# Altium PCB X98_CARRIER_V1R2_12082022.PcbDoc (part 3 of 10) (continued)
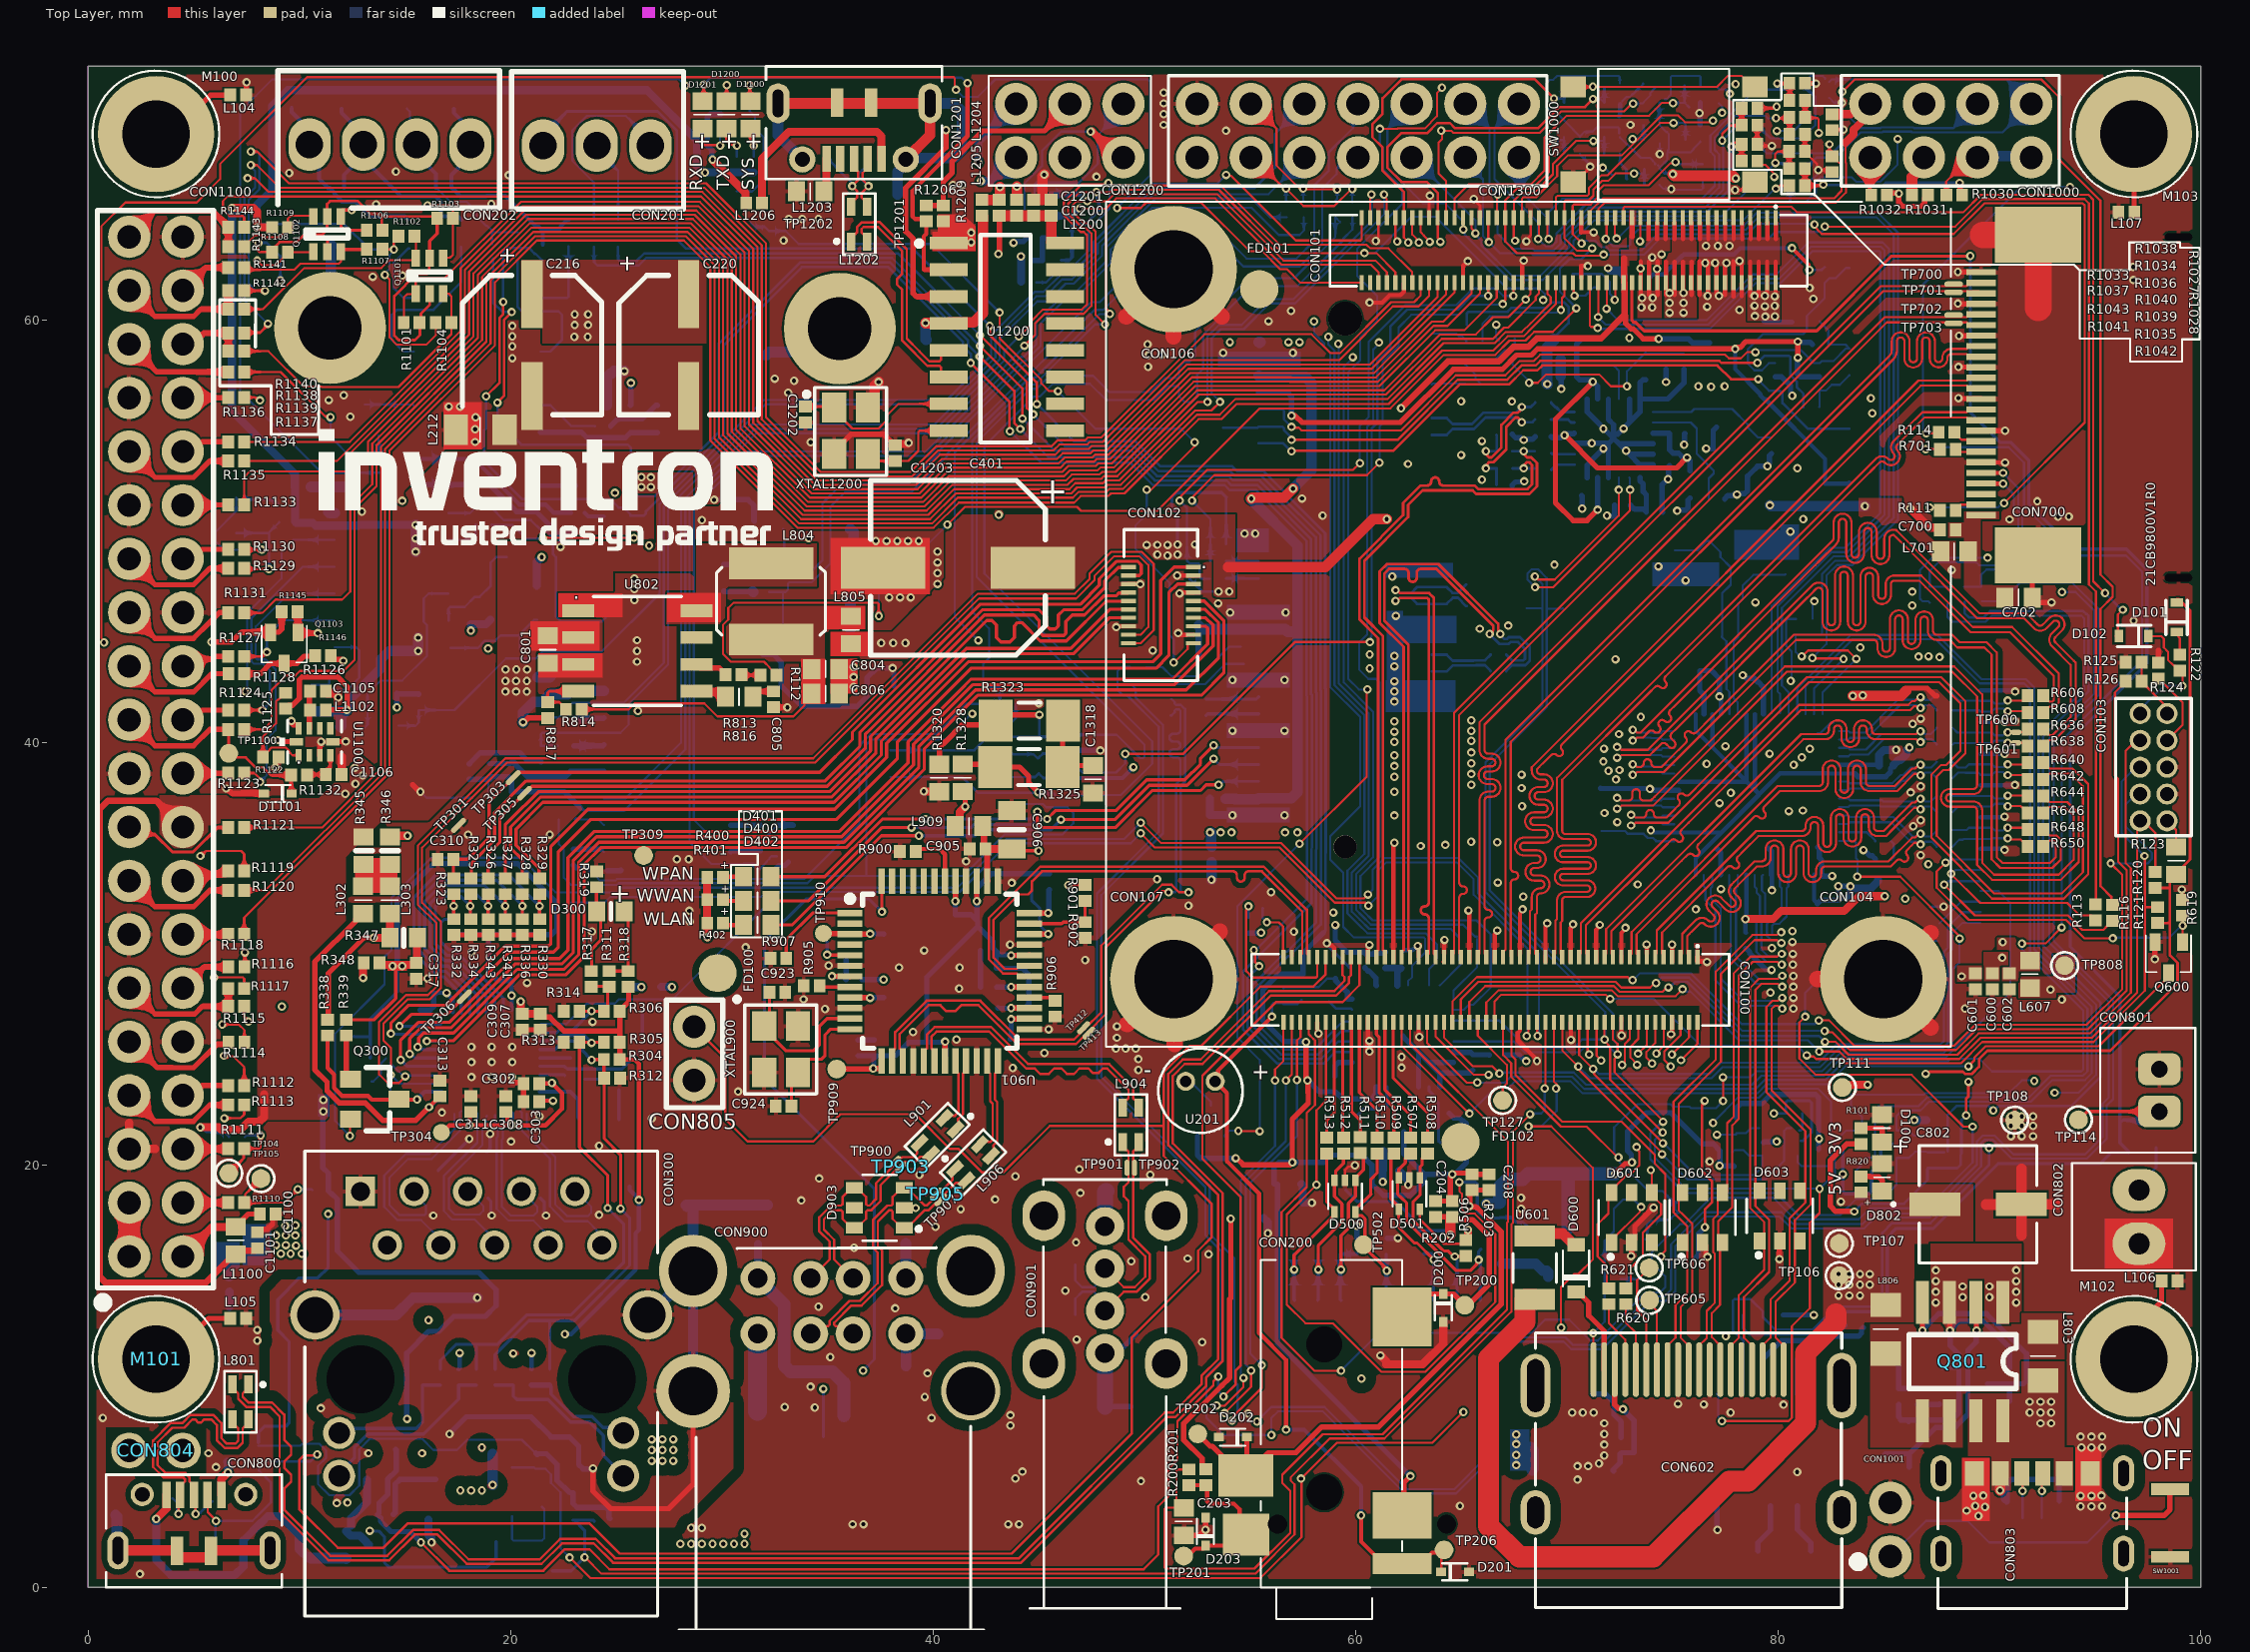
[diagram p0: Top Layer view]
## Part data (continued)
R600: library part RES-RMCF0402FT510K, "RES 510K OHM 1% 1/16W 0402", Manufacturer Part Number-1=RMCF0402FT510K, Manufacturer-1="Stackpole Electronics Inc", Class=Resistor, Created By=LA
R609 R610: library part RES-RMCF0402FT3K00, "3 ±1% 0.063W, 1/16W Chip Resistor 0402 (1005 Metric) Automotive AEC-Q200 Thick Film", Manufacturer Part Number-1=RMCF0402FT3K00, Manufacturer-1="Stackpole Electronics Inc", Tolerance=1, Class=Resistor, Created By=E.E, Created Date=9.11.2020
R802 R814: library part RES-RC0402FR-0724K9L, "24.9 ±1% 0.063W, 1/16W Chip Resistor 0402 (1005 Metric) - Thick Film", Manufacturer Part Number-1=RC0402FR-0724K9L, Manufacturer-1=Yageo, Opt. Temp.="-55°C ~ 155°C", Class=Resistor, Created By=E.E, Created Date=19.10.2020
  R802: ASSY_OPT=DNP
R806: library part RES-RC0603JR-07270RL, "RES SMD 270 OHM 5% 1/10W 0603", Manufacturer Part Number-1=RC0603JR-07270RL, Manufacturer-1=Yageo, ASSY_OPT=DNP, Class=Resistor, Created By=EE
R816: library part RES-RC0603FR-074K99L, "RES 4.99K OHM %1 1/10W 0603", Manufacturer Part Number-1=RC0603FR-074K99L, Manufacturer-1=YAGEO, Opt. Temp.=-55/+155, Class=Resistor, Created By=LA
R817: library part RES-CRCW04027K87FKED, "7.87 kOhms ±1% 0.063W, 1/16W Chip Resistor 0402 (1005 Metric) Automotive AEC-Q200 Thick Film", Manufacturer Part Number-1=CRCW04027K87FKED, Manufacturer-1="Vishay Dale", Class=Resistor, Created By=EE
R819: library part RES-0805S8J0103TDE, "RES SMD 10K 5% 0805", Manufacturer Part Number-1=0805S8J0103TDE, Manufacturer-1=ROYALOHM, Class=Resistor
R906: library part RES-RMCF0402FT2K70, "RES SMD 2.7K OHM 1% 1/16W 0402", Manufacturer Part Number-1=RMCF0402FT2K70, Manufacturer-1=Yageo, Class=Resistor, Created By=EE
R1132: library part RES-RMCF0402FT240R, "RES 240 OHM %1 1/16W 0402", Manufacturer Part Number-1=RMCF0402FT240R, Manufacturer-1=STACKPOLE, Opt. Temp.=-55/+155, Class=Resistor, Created By=LA, Features=AUTOMOTIVE
R1202 R1203 R1204 R1205: library part RES-ERJ-2RKF1620X, "162 ±1% 0.1W, 1/10W Chip Resistor 0402 (1005 Metric) Automotive AEC-Q200 Thick Film", Manufacturer Part Number-1=ERJ-2RKF1620X, Manufacturer-1="Panasonic Electronic Components", Class=Resistor, Created By=E.E, Created Date=8.11.2020
R1303 R1306 R1323 R1325: library part RES-RMCF1206JT62R0, "62 Ohms ±5% 0.25W, 1/4W Chip Resistor 1206 (3216 Metric) Automotive AEC-Q200 Thick Film", Manufacturer Part Number-1=RMCF1206JT62R0, Manufacturer-1="Stackpole Electronics Inc", Class=Resistor, Created By=EE, Price Break=5000, Unit Price=0.00323
R1304 R1305 R1308 R1312 R1316: library part RES-56K, "RES 56K OHM 1% 1/16W 0402", Opt. Temp.=-55/+155, Tolerance=%1, Class=Resistor, Created By=LA
  R1308 R1312: ASSY_OPT=DNP
R1320 R1328: library part "RES-0R 0603", "RES", ASSY_OPT=DNP, Class=Resistor, Created By=LA, Created Date=23.11.2018
R1321 R1326: library part RES-RMCF0402JT10R0, "RES 10 OHM 5% 1/16W 0402", Manufacturer Part Number-1=RMCF0402JT10R0, Manufacturer-1=STACKPOLE, Opt. Temp.=-55/+155, Tolerance=%5, Class=Resistor, Created By=LA, Created Date=23.11.2018, Price Break=10K, Unit Price=0,00127
SW1000: library part SW-DS1042-03-1-9-KKR-160-10, "SWITCH TACT 6x6MM 8.5MM 160gf SMD", Manufacturer-1=CINNFLY, Opt. Temp.=-25/+70, Class=Switch, Created By=LA, Created Date=19.04.2019, Manufacturer Part Number-1=SW-DS1042-03-1-9-KKR-160-10, Price Break=700, Unit Price=0,063
SW1001: library part SW-STO-060A16AB, "SWITCH TACTILE, SPST-NO, 0.02A 1", Manufacturer Part Number-1=STO-060A16AB, Manufacturer-1="Mitsumi Electric Company Ltd", Class=Switch, Created By=EE
U200: "IC AUDIO CODEC  STEREO SMD QFN32", Manufacturer Part Number-1=SGTL5000XNAA3/R2, Manufacturer-1=NXP, Opt. Temp.=-40/+85, Class=ICs, Created By=OKS, Created Date=29.04.2019, Price Break=1K, Unit Price=1,83
U201: library part IC-CMEJ-0415-42-P, "100Hz ~ 10kHz Analog Microphone Electret Condenser Omnidirectional (-42dB ±3dB @ 94dB SPL) PC Pins", Manufacturer Part Number-1=CMEJ-0415-42-P, Manufacturer-1="CUI Devices", Class=ICs, Created By=E.E, Created Date=11.11.2020, Price Break=1000, Unit Price=0.24864
U202: library part IC-PAM8403, "IC AMP AUDIO 3W CLASS D SO16", Manufacturer Part Number-1=PAM8403DR, Manufacturer-1=DIODES, Opt. Temp.=-40/+85, Class=ICs, Created By=OKS, Created Date=03.05.2019, Price Break=2.5K, Unit Price=0.31
U300: library part IC-RTL8211FD(I)-CG, "IC PHY GIGABIT ETHERNET IEEE 802.3AB 40-QFN (5x5)", Manufacturer Part Number-1=RTL8211FD(I)-CG, Manufacturer-1=REALTEK, Opt. Temp.="-40°C ~ 85°C (TA)", Class=ICs, Created By=OKS, Created Date=02.02.2022
U400: library part IC-9FGV0241AKLF, "IC CLOCK GENERATOR 24VFQFPN", Manufacturer-1="Renesas Electronics America Inc.", Opt. Temp.="0 to 70", Class=ICs, Created By=E.E, Created Date=13.10.20, Manufacturer Part Number-1=9FGV0241AKLF
U500: library part CON-L-KLS1-TF-003-H1.85-R, "CONECTOR MICRO SD CARD SMD KLS", Manufacturer Part Number-1=L-KLS1-TF-003-H1.85-R, Manufacturer-1=KLS, Opt. Temp.=-25/+90, Class=Connector, Created By=LA, Created Date=19.04.2019, Price Break=1000, Unit Price=0,2299
U600: library part IC-LT8912B, Manufacturer Part Number-1=LT8912B, Manufacturer-1="Lontium SemiconductorLontium SemiconductorLontium Semiconductor", Opt. Temp.="−40°C to +85°C", Class=ICs, Created By=E.E, Created Date=16.10.2020, Price Break=1040, Unit Price=2.98
U601: library part FUSE-0ZCJ0025AF2E, "Polymeric PTC Resettable Fuse 24V 250mA Ih Surface Mount 1206 (3216 Metric), Concave", Manufacturer Part Number-1=0ZCJ0025AF2E, Manufacturer-1="Bel Fuse Inc.", Class=FUSE, Created By=EE, Price Break=3000, Unit Price=0.0512
U800: library part IC-STMPS2151STR(ERDEM), "Power distribution switches", Manufacturer-1=STMicroelectronics, Class=ICs, Created By=E.E, Created Date=16.10.2020, Manufacturer Part Number-1=STMPS2151STR, Price Break=3000, Unit Price=0.16
U802: library part IC-NCP3170ADR2G, "Buck Regulator, Switching, PWM, 3.0 A", Manufacturer-1="ON Semiconductor", Opt. Temp.="-40 to +85", Class=ICs, Created By=E.E, Created Date=16.10.2020, Manufacturer Part Number-1=NCP3170ADR2G, Price Break=5000, Unit Price=0.25
U901: library part IC-FE1.1-AQFP48A, "IC 4XCH USB Hub Controller USB 2.0 USB Interface 48-QFP (7x7)", Manufacturer Part Number-1=FE1.1-AQFP48A, Manufacturer-1=TERMINUS, Class=ICs, Created By=OKS, Created Date=03.06.2022, Price Break=5000, Unit Price=1.05
U1100: library part IC-TLA2022IRUGR, "12 Bit Analog to Digital Converter 2 Input 1 Sigma-Delta 10-X2QFN (2x1.5)", Manufacturer Part Number-1=TLA2022IRUGR, Manufacturer-1="Texas Instruments", Class=ICs, Created By=E.E, Created Date=8.11.2020, Price Break=3000, Unit Price=0.5985
U1101: library part IC-PCF85063AT/AY, "Real Time Clock (RTC) IC Clock/Calendar I²C, 2-Wire Serial 10-XFDFN Exposed Pad", Manufacturer Part Number-1=PCF85063AT/AY, Manufacturer-1="NXP USA Inc.", Opt. Temp.="-40 +85", Class=ICs, Created By=EE, Price Break=1000, Unit Price=0.37280
U1200: library part IC-CH340G, "IC-340 USB INTERFACE SO16", Manufacturer-1=ÖZDİSAN, Class=ICs, Created By=E.E., Created Date=16.10.2020, Manufacturer Part Number-1=CH340G, Price Break=5000, Unit Price=0.35
U1300: library part IC-MCP2518FDT-E/SL, "CAN Controller CAN 2.0 SPI Interface 14-SOIC", Manufacturer Part Number-1=MCP2518FDT-E/SL, Manufacturer-1="Microchip Technology", Opt. Temp.="-40°C ~ 125°C", Class=ICs, Created By=EE, Price Break=6000, Unit Price=1.21
U1301: "IC TXRX CAN 8SOIC", Manufacturer Part Number-1=MCP2562T-E/SN, Manufacturer-1=MICROCHIP, Opt. Temp.=-40/+125, Class=ICs, Created By=LA, Created Date=29.03.2019, Price Break=100, Unit Price=0,7
U1302: "IC TX/RX 3-3.5V RS232 LP 16-SOIC", Manufacturer Part Number-1=ST3232CDR, Manufacturer-1=STM, Opt. Temp.=0/+70, Class=ICs, Created By=LA, Created Date=29.03.2019, Price Break=1K, Unit Price=0,52
U1303: library part IC-ST485EBDR, "IC TXRX LOPWR RS485/422 8 SOIC", Manufacturer Part Number-1=STM, Manufacturer-1=ST485EBDR, Opt. Temp.=-40/+85, Class=ICs, Created By=LA, Created Date=19.04.2018, Price Break=1K, Unit Price=0,52854
X300: library part "XTAL-TSX-3225 25.0000MF18X-G", "CRYSTAL 25.0000MHZ 20PF 10PPM SMD", Manufacturer Part Number-1="TSX-3225 25.0000MF18X-G", Manufacturer-1=EPSON, Opt. Temp.=+40/+85, Class=Crystal, Created By=OKS, Created Date=11.02.2022, Price Break=1K, Unit Price=0,24
XTAL400 XTAL600: "CRYSTAL 25.0000MHZ 18PF SMD", Manufacturer Part Number-1="TSX-3225 25.0000MF10P-C0", Manufacturer-1=EPSON, Opt. Temp.=+40/+85, Class=Crystal, Created By=E.E, Created Date=20.10.2020, Price Break=2K, Unit Price=0,176
XTAL900 XTAL1200: library part "XTAL-FA-238V 12.0000MB50X-C0", "CRYSTAL 12.0000MHZ 18PF SMD", Manufacturer Part Number-1="FA-238V 12.0000MB50X-C0", Manufacturer-1=EPSON, Opt. Temp.=+40/+85, Class=Crystal, Created By=E.E, Created Date=20.10.2020, Price Break=1K, Unit Price=0.6
XTAL1100: library part "XTAL FC-135 32.768KA-AG0", "32.768kHz ±20ppm Crystal 7pF 70 kOhms 2-SMD, No Lead", Manufacturer Part Number-1="FC-135 32.768KA-AG0", Manufacturer-1=EPSON, Opt. Temp.=-20°C~+70°C, Class=Crystal, Created By=E.E, Created Date=20.10.20, Price Break=1000, Unit Price=0.2
XTAL1300: library part "XTAL-FA-238 20.0000MB-K0", "CRYSTAL 20.0000MHZ 10PF SMD", Manufacturer Part Number-1="FA-238 20.0000MB-K0", Manufacturer-1=EPSON, Opt. Temp.="-20°C ~ 70°C", Class=Crystal, Created By=E.E, Created Date=20.10.2020, Price Break=1K, Unit Price=0.17

## Via types
v1: diameter 0.4, hole 0.2, Top Layer to Bottom Layer, tented both sides, 1194 vias

## Nets (pads, with @x,y where several pads share a name; then routed paths per layer and width w, separated by ;. In a path a pad name is that pad's centre, name@x,y a point inside that pad or via, vN(x,y) a via of type N, cw(c..) or ccw(c..) an arc to the next point about the centre after c; other vN are vias at no path point)
3V3_CAM: C700.1 C702.1 CON700.24 L701.1
3V3_CON: C602.1 CON600.24 CON600.25 L607.2
  other v1: 90.633,30.541
+1.5V_VDD: C100.2 C413.1 C414.2 CON101.35 CON101.38 CON401.6 CON401.28 CON401.48 TP115.1 | length 67.2
  Top Layer w0.254: 72.72,60.24 72.772,60.188 72.772,59.844 73.038,59.578 73.133,59.578 73.604,59.107 v1(74.346,59.107) ; 73.07,63.941 73.079,63.95 CON101.35@73.079,64.837
  Top Layer w0.305: v1(62.148,55.816) 64.308,57.976 64.371,58.038 66.78,58.038 67.459,58.717 68.162,58.717 68.577,59.132 71.612,59.132 72.72,60.24 72.721,60.241 72.721,61.757 72.711,61.767 72.711,62.909
  Top Layer w0.508: v1(55.058,51.534) 55.108,51.583 56.607,51.583 v1(57.031,52.008)
  Layer 2 w0.305: v1@57.003,52 57.003,50.238 57.182,50.059 58.741,50.059 58.958,50.276 58.958,54.122 60.652,55.816 v1(62.148,55.816)
  Bottom Layer w0.254: v1(74.346,59.107) 75.752,59.107 75.94,58.92 C100.2@76.748,58.92
  Bottom Layer w0.305: C413.1@52.515,45.577 52.57,45.522 TP115.1@52.57,44.123
  Bottom Layer w0.508: C413.1@52.57,45.522 52.732,45.36 56.662,45.36 56.786,45.237 57.243,45.237 ; C414.2@53.849,37.335 54.324,37.335 54.297,37.307 55.362,37.307 55.408,37.353 56.945,37.353 57.243,37.651 57.243,45.237 ; v1(55.058,51.534) 55.058,51.506 57.243,49.321 57.243,45.237 ; CON401.6@55.408,57.353 55.454,57.307 56.385,57.307 57.616,57.307 57.913,57.009 57.913,52.89 v1(57.031,52.008)
+1.8V_HUB: C907.1 C910.1 C911.2 C913.1 TP910.1 U901.3 U901.9 U901.26 U901.29 | length 20.7
  Top Layer w0.254: TP910.1@34.798,30.963 34.818,30.943 36.035,30.943 U901.3@36.055,30.923 36.062,30.93 37.001,30.93 v1(37.008,30.937) ; U901.9@36.055,27.923 36.062,27.915 37,27.915 v1(37.008,27.908) ; v1(43.688,26.899) 43.7,26.911 44.542,26.911 U901.26@44.555,26.923 ; v1(43.688,28.416) 43.692,28.419 44.551,28.419 U901.29@44.555,28.423
  Layer 2 w0.254: v1(37.008,30.937) v1(37.008,27.908) 39.758,27.908 40.767,26.899 v1(43.688,26.899) 43.716,26.927 44.148,26.927 44.374,27.153 44.374,28.267 44.225,28.416 v1(43.688,28.416)
  Bottom Layer w0.254: v1(37.008,27.908) 37.022,27.921 37.641,27.921 C910.1@37.654,27.935 ; v1(37.008,30.937) 37.01,30.935 37.652,30.935 C907.1@37.654,30.932 ; C911.2@43.002,28.418 43.003,28.417 43.687,28.417 v1(43.688,28.416) ; C913.1@43.648,25.959 43.688,25.999 v1(43.688,26.899)
+1.8V_VDD: C104.1 C601.1 C621.1 C622.1 C623.1 CON101.27 CON101.29 CON101.30 CON101.31 CON101.32 CON101.34 CON600.28 CON600.29 D101.1 L204.1 L401.1 L402.2 L403.1 L600.1 L601.1 L606.1 Q601.3 Q602.2 Q602.5 Q800.1 Q1101.2 Q1101.5 Q1102.2 Q1102.5 Q1103.1 Q1300.1 R120.2 R121.2 R123.2 R200.2 R348.1 R407.2 R410.2 R421.2 R625.2 R629.2 R800.2 R803.1 R804.2 R1031.1 R1032.1 R1101.2 R1103.2 R1106.2 R1108.2 R1145.2 R1319.1 TP112.1 | length 300.1
  Top Layer w0.127: v1@8.052,63.602 8.026,63.576 8.026,63.297 8.111,63.212 R1108.2@8.738,63.212 ; R1108.2@8.687,63.322 9.047,63.682 9.859,63.682 10.211,64.033 11.074,64.033 ; Q1102.5@11.303,64.745 11.303,64.262 11.074,64.033 ; Q1102.5@11.303,64.896 11.303,65.481 11.444,65.622 12.762,65.622 13.36,65.024 13.767,65.024 13.894,64.897 ; Q1102.2@11.328,63.144 11.328,63.779 11.074,64.033 ; R1106.2@13.9,64.268 13.894,64.262 13.894,64.897 ; Q1101.2@16.154,61.24 16.154,60.706 15.742,60.294 15.742,59.918 15.697,59.873 15.697,59.284 15.456,59.042 14.694,59.042 14.484,59.252 14.484,61.134 15.53,62.179 16.027,62.179 16.129,62.281 16.129,62.789 Q1101.5@16.18,62.84 ; R1103.2@16.332,64.872 16.307,64.897 13.894,64.897 ; v1(76.521,23.037) 76.521,22.963 76.394,22.836 76.394,19.706 76.861,19.24 76.861,18.224 76.53,17.894 v1(76.53,17.043) ; v1(86.988,24.314) 87.062,24.314 87.16,24.412 88.746,24.412 88.857,24.302 89.159,24.302 89.508,24.651 89.508,24.994 89.914,25.4 95.714,25.4 98.907,28.593 98.907,29.56 98.547,29.92 98.547,31.53 ; R120.2@97.853,33.113 98.519,33.113 98.547,33.14 ; R121.2@97.959,31.45 98.467,31.45 98.547,31.53 ; D101.1@98.869,46.777 98.97,46.777 99.505,46.243 99.505,34.456 98.907,33.858 98.843,33.858 98.547,33.561 98.547,33.14 ; 98.547,31.53 98.547,33.14
  Top Layer w0.152: Q1101.5@16.154,62.915 16.154,63.729 16.51,64.084 16.51,64.719 R1103.2@16.586,64.795
  Top Layer w0.203: v1@73.494,61.178 73.494,62.76 ; 73.869,63.818 CON101.31@73.869,64.609 ; 73.894,61.178 73.894,62.76 ; 74.269,63.818 CON101.29@74.269,64.609 ; 74.294,61.178 74.294,62.76 ; 74.669,63.826 CON101.27@74.669,64.609 ; v1(80.658,63.395) 81.44,62.613 v1@81.44,62.403
  Top Layer w0.254: R1145.2@9.905,46.182 9.918,46.169 9.918,45.225 Q1103.1@9.931,45.212 9.97,45.173 v1(10.869,45.173) ; R200.2@52.909,5.587 52.883,5.587 52.731,5.739 52.731,6.104 51.852,6.983 51.852,7.749 53.656,9.554 53.67,9.554 54.037,9.921 54.037,13.645 54.088,13.696 v1(54.088,17.446) ; R1032.1@85.154,65.913 85.241,65.999 85.697,65.999 v1(85.716,65.979) 85.711,65.974 85.711,65.564 85.896,65.379 86.783,65.379 86.932,65.528 86.932,65.76 R1031.1@87.085,65.913
  Top Layer w0.381: v1(13.005,28.854) R348.1@13.005,29.515
  Layer 2 w0.127: v1(80.658,63.395) 83.132,63.395 v1(85.716,65.979)
  Layer 2 w0.254: v1@9.084,61.803 9.056,61.803 9.056,61.307 8.068,60.319 8.068,57.995 10.862,55.201 10.862,45.173 v1@10.862,44.979 ; 10.862,40.886 12.329,40.886 13.099,41.656 v1(14.605,41.656)
  Layer 2 w0.381: 10.668,28.854 v1(13.005,28.854) ; v1@10.862,44.979 10.862,40.886 11.512,40.235 11.512,32.264 10.596,31.347 10.596,28.854 10.596,20.004 11.401,19.199 11.401,18.422 ; v1(83.064,19.559) 83.064,21.073 84.111,22.12 v1(86.448,22.12)
  Layer 2 w0.508: v1@11.401,17.628 11.401,17.678 11.401,18.422 ; v1@11.405,17.628 11.582,17.45 14.707,17.45 15.418,16.739 15.418,15.494 16.129,14.783 25.273,14.783 26.022,15.532 26.022,17.218 29.35,20.546 50.989,20.546 v1(54.088,17.446) 59.331,17.446 59.665,17.78 63.348,17.78 63.632,17.495 66.657,17.495 66.954,17.793 66.954,22.174 ; 79.569,37.428 79.569,36.518 80.105,35.982 82.876,35.982 83.436,35.421 83.51,35.421
  Bottom Layer w0.102: R800.2@8.052,6.706 10.033,6.706 10.135,6.807 10.922,6.807 11.252,6.477 11.252,6.121 10.871,5.74 10.871,4.902 11.408,4.366 12.367,4.366 12.827,4.826 12.827,6.535 13.328,7.036 15.799,7.036 16.332,6.502 17.45,6.502 17.932,6.985 20.523,6.985 20.777,6.731 ; 20.783,6.736 21.16,6.359 R803.1@21.185,6.359
  Bottom Layer w0.127: v1@8.052,63.678 8.077,63.652 8.445,63.652 9.084,63.013 v1(9.084,61.87) ; R410.2@65.259,59.781 65.259,60.302 65.342,60.384 67.191,60.384 67.38,60.574 68.286,60.574 68.288,60.572 69.029,60.572 69.29,60.833 69.866,60.833 70.08,60.619 70.08,59.845 69.389,59.154 L403.1@69.389,59.09 ; v1(81.478,62.367) 82.067,62.367 R407.2@82.194,62.494
  Bottom Layer w0.152: R800.2@8.052,6.858 8.052,7.341 8.334,7.622 9.345,7.622 9.5,7.777 9.5,11.647 8.973,12.174 8.973,13.626 9.999,14.653 10.868,14.653 11.354,15.138 v1(11.354,17.678)
  Bottom Layer w0.178: Q602.5@83.922,20.98 83.897,20.955 83.168,20.955 83.064,20.851 v1(83.064,19.559) 83.064,18.748 83.168,18.644 84.312,18.644 84.416,18.748 R629.2@84.416,19.198 ; R629.2@84.429,19.198 84.429,19.684 84.861,20.117 84.861,20.752 85.065,20.955 85.369,20.955 Q602.2@85.395,20.98
  Bottom Layer w0.203: C104.1@73.994,62.065 74.089,62.159 74.586,62.159 75.45,63.023 75.527,63.1 77.905,63.1 78.201,63.395 v1(80.658,63.395)
  Bottom Layer w0.254: v1(14.605,41.656) 14.605,42.316 14.624,42.298 15.623,42.298 R1319.1@15.642,42.279 ; R803.1@21.185,6.359 R803.1@21.261,6.283 ; R803.1@21.234,6.325 21.692,6.325 22.186,5.83 22.186,5.082 22.787,4.48 Q800.1@22.942,4.48 22.942,3.982 23.139,3.785 24.511,3.785 24.638,3.658 24.638,3.302 R804.2@24.689,3.251 ; L204.1@67.066,25.204 67.737,25.204 68.032,24.91 v1(68.072,24.91) ; v1(71.894,50.734) 71.919,50.708 72.249,50.708 72.249,51.225 L401.1@72.261,51.237 ; R421.2@74.684,57.664 74.686,57.662 74.686,57.06 v1(74.688,57.058) ; v1(75.221,50.962) 75.249,50.99 75.608,50.99 75.729,51.111 75.729,51.466 L402.2@75.828,51.565 ; Q601.3@76.025,15.529 76.223,15.727 76.223,16.736 v1(76.53,17.043)
  Bottom Layer w0.381: v1(86.448,22.12) 86.449,22.121 87.018,22.121 R625.2@87.02,22.123
  Bottom Layer w0.508: v1(69.073,56.964) 69.055,56.981 69.055,58.693 69.389,59.027 L403.1@69.389,59.09
  other v1: 88.692,28.927 86.011,32.604 67.928,32.697 66.721,33.364 87.11,34.229 67.85,37.839 67.85,38.474 72.295,43.935 86.646,44.062 87.117,44.074 73.528,60.589 74.036,60.589 73.553,61.047 74.061,61.047 73.484,62.433 74.271,62.416 74.036,62.96 74.479,63.107 8.043,63.648
+3.3V_EXT: C401.1 C419.1 C1101.1 CON401.2 CON401.24 CON401.39 CON401.41 CON401.52 CON1100.18 L607.1 L701.2 L805.2 L1100.1 R346.1 R408.2 R411.2 TP808.1 | length 83.9
  Top Layer w0.305: CON1100.18@4.47,35.99 3.216,37.244 0.928,37.244 0.546,36.862 0.546,14.696 0.826,14.416 5.552,14.416 6.905,15.769 L1100.1@6.969,15.769 7.13,15.931 7.876,15.931 C1101.1@8.003,16.058
  Top Layer w0.381: R346.1@14.427,35.56 14.449,35.582 15.109,35.582 v1(15.113,35.585)
  Top Layer w0.508: 53.954,48.299 58.552,48.299 60.825,50.572 v1(61.467,50.572)
  Layer 2 w0.381: v1(15.113,35.585) 15.113,36.474
  Layer 2 w0.5: v1(50.102,49.35) 50.561,48.891 v1(50.613,48.891)
  Layer 2 w0.508: v1(88.223,48.164) 90.266,48.164 93.98,44.45 93.98,29.391 v1(92.894,28.305)
  Bottom Layer w0.127: R411.2@52.132,47.723 R411.2@52.158,47.723 52.743,47.138 v1(53.509,47.138) ; R408.2@53.867,49.387 53.867,51.613
  Bottom Layer w0.152: v1(51.566,49.366) 51.566,50.827 51.294,51.099 51.294,51.6 51.515,51.821 53.66,51.821 53.867,51.613
  Bottom Layer w0.508: v1@53.153,35.708 53.153,35.082 C419.1@53.174,35.062 ; CON401.2@55.408,58.953 55.449,58.912 CON401.2@55.482,58.946 ; v1(79.61,51.225) 79.655,51.18 v1(84.11,51.18)
  other v1: 53.101,35.737 53.609,35.737 54.117,35.737 56.657,35.737 57.236,35.737 12.166,37.562 12.646,38.041 12.996,38.444 12.619,38.806 61.83,40.026 65.472,40.069 61.83,40.505 65.472,40.547 61.83,41 65.472,41.042 37.537,44.709 38.108,44.709 38.68,44.709 54.017,47.138 51.093,48.842 51.566,48.891 50.613,49.352 51.093,49.35 52.391,49.371 54.042,58.946 56.823,58.946 57.34,58.946
+3.3V_EXT_ENABLE: R112.2 R813.1 | length 0.9
  Top Layer w0.102: R813.1@30.921,43.206 31.039,43.206 31.06,43.185 R112.2@31.822,43.185
+3.3V_HUB: C903.1 C904.1 C908.2 C909.2 C912.2 C914.2 C915.2 C916.2 R903.2 R904.2 TP909.1 U901.13 U901.19 U901.27 U901.32 U901.39 U901.41 | length 34.1
  Top Layer w0.254: TP909.1@35.433,24.536 35.446,24.549 37.148,24.549 v1(37.16,24.562) 37.532,24.562 37.555,24.585 U901.13@37.555,24.923 ; U901.19@40.555,24.923 40.559,24.928 40.559,25.827 v1(40.564,25.832) ; v1(41.046,32.487) 41.051,32.491 41.051,33.419 U901.41@41.055,33.423 ; U901.39@42.055,33.423 42.059,33.419 42.059,32.49 v1(42.062,32.487) ; v1(43.688,27.425) 43.689,27.424 44.34,27.424 U901.27@44.348,27.432 ; v1(43.688,29.914) 43.692,29.919 44.55,29.919 U901.32@44.555,29.923
  Bottom Layer w0.254: C914.2@36.445,25.168 C915.2@37.334,25.168 ; v1(37.16,24.562) 37.188,24.59 37.188,25.022 C915.2@37.334,25.168 ; C916.2@40.583,25.171 40.574,25.181 40.574,25.822 v1(40.564,25.832) 40.538,25.806 39.691,25.806 ; v1(41.046,32.487) 41.043,32.484 41.043,31.855 C903.1@41.04,31.852 41.779,31.852 C904.1@42.062,31.568 ; C912.2@43.053,27.432 43.072,27.413 43.676,27.413 v1(43.688,27.425) 44.316,27.425 44.526,27.635 44.526,29.007 44.226,29.307 C908.2@42.976,29.307 C909.2@42.976,30.12 ; v1(43.688,29.914) 43.66,29.942 43.179,29.942 43.154,29.967 43.129,29.967 C909.2@42.976,30.12 ; R903.2@45.496,33.781 R904.2@44.658,33.781 42.748,33.781 42.062,33.096 v1(42.062,32.487) C904.1@42.062,31.568 ; C915.2@37.334,25.168 38.205,25.168 38.844,25.806 39.691,25.806 ; 39.691,25.806 39.691,28.885 C904.1@42.102,31.296 ; C904.1@42.062,31.568 42.102,31.529 C904.1@42.102,31.496 C904.1@42.102,31.296 ; C904.1@42.102,31.296 42.824,30.574 42.824,30.272 C909.2@42.976,30.12
+3.3V_VDD: C105.1 C200.1 C500.1 CON101.21 CON101.22 CON101.23 CON101.24 CON101.25 CON101.26 CON101.28 D1102.2 L200.1 L201.1 L1102.2 L1204.2 L1205.1 L1302.1 L1303.2 Q500.2 Q603.2 Q603.5 R100.2 R101.1 R102.2 R103.2 R104.2 R105.2 R106.2 R115.1 R345.1 R400.2 R401.2 R402.2 R500.2 R626.2 R628.2 R630.2 R634.2 R805.2 R1000.2 R1001.2 R1002.2 R1006.2 R1007.2 R1008.2 R1015.2 R1016.2 R1017.2 R1026.2 R1030.1 R1033.2 R1034.2 R1035.2 R1036.2 R1041.2 R1042.2 R1100.1 R1102.2 R1104.2 R1107.2 R1109.2 R1126.2 R1146.2 R1200.1 R1300.2 R1301.2 R1302.2 R1327.1 R1331.2 TP111.1 | length 312.4
  Top Layer w0.102: v1(14.037,62.124) 14.26,61.901 14.26,59.171 14.605,58.826 15.994,58.826 16.459,59.292 R1104.2@16.459,59.919 ; R1041.2@79.019,67.521 79.2,67.34 79.391,67.34 79.756,66.976 ; R1034.2@81.283,70.393 81.28,70.39 R1036.2@81.28,69.584 81.305,69.559 81.862,69.559 81.921,69.5 v1(81.921,68.853)
  Top Layer w0.127: R1107.2@13.945,63.322 13.962,63.339 v1(14.463,63.339) 14.463,63.714 R1102.2@14.707,63.957 ; R1033.2@79.019,70.021 v1@79.775,70.021 ; R1035.2@81.267,67.162 R1042.2@81.266,66.354 82.095,66.354 v1(82.142,66.401) ; v1(88.9,22.348) 88.9,23.133 89.008,23.241 v1(89.008,23.937)
  Top Layer w0.203: v1@74.694,61.178 74.694,62.752 ; 75.094,61.178 75.094,62.752 ; 75.094,63.826 CON101.25@75.094,64.609 ; v1@75.494,61.178 75.494,61.969 75.494,62.752 ; 75.494,63.826 CON101.23@75.494,64.609 ; 75.894,61.178 75.894,62.752 ; 75.894,63.826 CON101.21@75.894,64.609
  Top Layer w0.254: R1126.2@9.341,41.591 9.494,41.743 9.651,41.743 9.985,42.077 9.985,42.957 10.134,43.106 11.792,43.106 12.258,42.64 12.258,41.549 v1(12.239,41.53) L1102.2@11.243,41.53 ; R1146.2@11.48,44.099 11.48,44.074 11.633,43.921 11.97,43.921 12.025,43.866 v1(12.065,43.866) ; 15.362,37.985 15.364,37.985 15.682,37.667 v1(15.722,37.667) ; v1(72.276,19.58) 72.755,20.059 v1@73.041,20.059 ; v1(83.609,17.792) 83.6,17.801 82.725,17.801 82.473,18.053 82.473,20.219 83.243,20.989 R101.1@83.928,20.989 ; v1(88.59,66.49) 88.618,66.462 88.618,66.056 R1030.1@88.71,65.963
  Top Layer w0.381: v1(5.303,21.779) 6.17,21.779 6.286,21.663 7.2,21.663 7.581,22.044 8.094,22.044 8.317,22.267 8.317,23.339 ; v1(6.798,65.299) 7.814,65.299 7.982,65.132 v1@7.982,64.37 ; v1(7.982,64.382) 7.986,64.378 8.723,64.378 R1109.2@8.738,64.364 ; R402.2@29.261,31.445 29.304,31.402 29.304,30.781 v1(29.307,30.778) ; R402.2@29.301,31.421 R402.2@29.301,31.446 R401.2@29.301,32.553 R400.2@29.301,33.616 ; TP111.1@83.039,23.666 83.136,23.763 83.486,23.763 83.516,23.793 v1(84.233,23.793)
  Top Layer w0.508: L1205.1@42.307,65.68 43.136,65.68 43.161,65.706 v1(43.161,66.278) ; v1(75.013,66.897) 75.087,66.823 77.843,66.823 v1@77.918,66.747
  Layer 1 w0.102: v1(81.921,68.853) 81.921,68.028 82.254,67.695 82.254,66.594
  Layer 1 w0.254: v1(12.268,4.013) 14.072,4.013 15.088,5.029 v1(15.088,7.976)
  Layer 2 w0.127: v1(12.065,43.866) 15.164,43.866 v1(15.621,44.323) ; v1@77.241,19.961 78.788,19.961 v1(79.934,21.107) ; v1(79.929,70.1) 80.306,69.723 80.306,67.356 79.953,67.003 79.953,66.983 79.813,66.844 v1(79.813,66.77) 80.875,66.77 80.88,66.764 81.614,66.764 v1@81.973,66.405
  Layer 2 w0.254: v1(12.268,4.013) 13.299,2.982 13.299,2.713 v1(13.327,2.685) ; v1(75.013,66.897) 75.687,66.223 75.687,65.571 ; v1@79.781,22.428 79.781,21.299 79.934,21.147 v1(79.934,21.107) ; v1(79.796,22.441) 80.505,23.149 84.233,23.149 v1(84.233,23.793) ; v1(81.686,12.897) 81.686,17.448 82.033,17.794 v1@83.607,17.794
  Layer 2 w0.381: v1(29.307,30.778) 32.537,27.547 32.537,23.393
  Layer 2 w0.508: v1(29.191,66.973) 29.191,65.957 32.555,62.594 42.511,62.594 43.002,62.103 47.092,62.103 ; v1(43.161,66.278) 43.161,64.709 43.459,64.411 44.266,64.411 44.824,63.852 47.332,63.852 ; 64.275,18.437 64.444,18.606 65.752,18.606 v1(66.191,18.168) ; v1(77.992,66.698) 78.064,66.77 v1(79.813,66.77)
  Bottom Layer w0.102: v1(14.037,62.124) 14.037,62.197 14.25,62.41 14.25,63.054 14.453,63.256 14.453,63.339 v1@14.453,63.373 ; v1(15.722,37.667) 15.722,37.663 16.005,37.38 R1331.2@18.182,37.38 ; R1002.2@70.612,68.656 R1002.2@70.612,68.681 ; 70.937,71.556 72.439,71.556 72.498,71.496 R1000.2@72.498,71.189 ; 70.967,71.55 70.218,71.55 70.216,71.551 69.531,71.551 69.347,71.367 69.196,71.367 69.032,71.203 69.032,70.067 69.23,69.869 69.449,69.869 70.294,69.023 70.294,68.999 R1002.2@70.612,68.681 ; R1015.2@72.473,68.827 72.473,69.053 72.413,69.113 71.42,69.113 71.217,68.91 70.841,68.91 R1002.2@70.612,68.681 ; R1015.2@72.513,68.656 72.513,68.63 72.826,68.317 72.855,68.317 73.496,67.676 73.94,67.676 74.065,67.55 74.065,67.526 74.174,67.417 R1006.2@74.174,67.379 ; R1006.2@74.31,67.32 R1006.2@74.327,67.303 ; R1008.2@74.378,69.361 74.378,70.285 R1026.2@74.383,70.291 ; R1008.2@74.383,69.24 74.383,69.214 74.697,68.901 74.726,68.901 74.815,68.812 74.815,68.076 74.784,68.045 74.784,67.936 ; R1026.2@74.632,70.453 74.708,70.453 74.911,70.656 74.911,71.492 74.971,71.551 76.266,71.551 76.325,71.492 R1017.2@76.325,71.094 ; v1(75.013,66.897) 74.981,66.928 74.612,66.928 74.383,67.157 74.383,67.208 74.755,67.58 74.755,67.907 74.784,67.936 ; R1007.2@76.314,68.444 76.314,68.418 75.996,68.1 75.996,68.076 75.856,67.936 74.784,67.936
  Bottom Layer w0.127: v1(5.303,21.779) 5.377,21.779 5.594,21.562 6.446,21.562 6.662,21.346 R105.2@6.662,21.32 ; v1@7.976,64.537 12.103,64.537 13.301,63.339 14.453,63.339 v1(14.463,63.339) v1@14.478,63.339 ; R1016.2@70.623,71.094 70.683,71.154 70.683,71.543 ; v1(75.013,66.897) 75.087,66.897 75.141,66.842 75.426,66.842 R1001.2@75.642,66.626 ; v1(79.796,22.441) 80.361,22.441 R634.2@80.408,22.488 ; R634.2@80.391,22.504 80.366,22.53 80.366,22.968 80.44,23.042 81.483,23.042 81.582,22.944 81.582,21.524 81.276,21.218 81.242,21.218 81.156,21.132 Q603.5@81.081,21.132 ; v1(82.142,66.401) 82.153,66.39 83.542,66.39 83.611,66.322 84.927,66.322 85.095,66.49 v1(88.59,66.49) ; v1(83.609,17.792) 83.977,18.161 85.954,18.161 87.071,19.279 R628.2@87.071,19.787 ; R628.2@87.076,19.848 88.479,19.848 88.646,20.015 R100.2@88.646,20.472 ; R100.2@88.671,20.544 88.671,22.123 88.896,22.348 v1(88.9,22.348)
  Bottom Layer w0.152: v1(13.327,2.685) 13.345,2.667 13.741,2.667 14.021,2.388 14.021,1.168 14.224,0.965 18.872,0.965 19.304,1.397 R805.2@19.304,2.159
  Bottom Layer w0.203: R1327.1@46.52,38.311 48.956,38.311 v1(49.474,38.83)
  Bottom Layer w0.254: v1@11.098,22.504 11.098,19.865 11.361,19.602 11.361,18.776 11.513,18.623 11.538,18.623 11.786,18.376 11.786,15.926 12.802,14.91 18.478,14.91 19.304,14.084 19.304,13.335 18.796,12.827 17.297,12.827 16.586,12.116 16.104,12.116 15.074,11.086 v1@15.074,7.976 ; v1(29.624,51.483) 31.235,51.483 31.508,51.21 31.508,50.486 31.526,50.468 31.526,51.028 ; R115.1@54.926,30.959 54.947,30.98 55.498,30.98 v1(55.519,31) ; v1(59.032,31.359) 59.032,30.638 59.604,30.066 60.389,30.066 60.473,29.983 60.828,29.983 60.865,30.02 61.356,30.02 L201.1@61.402,30.066 ; v1(73.077,20.124) 73.049,20.152 73.049,20.485 72.866,20.668 72.866,21.582 73.756,22.472 74.918,22.472 76.392,20.999 76.918,20.999 77.241,20.676 v1@77.241,19.964 ; v1(77.229,19.961) 77.231,19.963 77.878,19.963 R630.2@77.902,19.939 ; Q603.2@79.299,21.057 79.337,21.095 79.921,21.095 v1(79.934,21.107) ; D1102.2@80.239,12.899 80.241,12.897 v1(81.686,12.897)
  Bottom Layer w0.381: v1(6.798,65.299) 6.798,55.687 9.778,52.708 9.778,52.104 L1302.1@9.791,52.091 9.783,52.083 9.783,50.451 9.843,50.391 10.627,50.391 10.755,50.263 12.768,50.263 12.797,50.292 v1(15.494,50.292) ; v1@7.976,64.364 7.976,64.537 7.976,65.43 8.694,66.148 8.694,70.141 9.429,70.876 26.443,70.876 28.827,68.493 28.827,67.274 29.128,66.973 v1@29.182,66.973 ; v1(29.191,66.973) 29.196,66.973 29.208,66.985 R1100.1@31.5,66.985 ; v1(61.279,19.197) 61.279,19.734 61.309,19.764 61.309,20.646 L200.1@61.314,20.651
  Bottom Layer w0.457: v1(12.239,41.53) 12.387,41.678 12.387,42.053 13.843,43.509 13.843,43.942 14.224,44.323 14.351,44.323
  Bottom Layer w0.508: R1301.2@10.512,41.465 11.964,41.465 ; R1302.2@11.923,40.731 11.964,40.772 11.964,41.255 v1(12.239,41.53) ; 14.351,44.323 v1(15.621,44.323) v1(15.621,44.958) ; v1(15.494,49.022) v1(15.494,49.657) v1(15.494,50.292) ; v1(66.191,18.168) 66.807,18.168 R500.2@66.807,18.237
  Bottom Layer w0.635: R500.2@66.807,18.237 66.807,18.952 67.179,19.324 67.897,19.324 68.154,19.58 70.069,19.58 ; Q500.2@70.069,17.024 70.069,19.58 ; v1(72.276,19.58) 70.069,19.58
  other v1: 11.125,22.53 11.125,23.074 74.862,60.343 75.522,60.343 74.862,60.802 75.522,60.807 74.862,61.268 75.522,61.275